# KiCad board panel.kicad_pcb (continued)
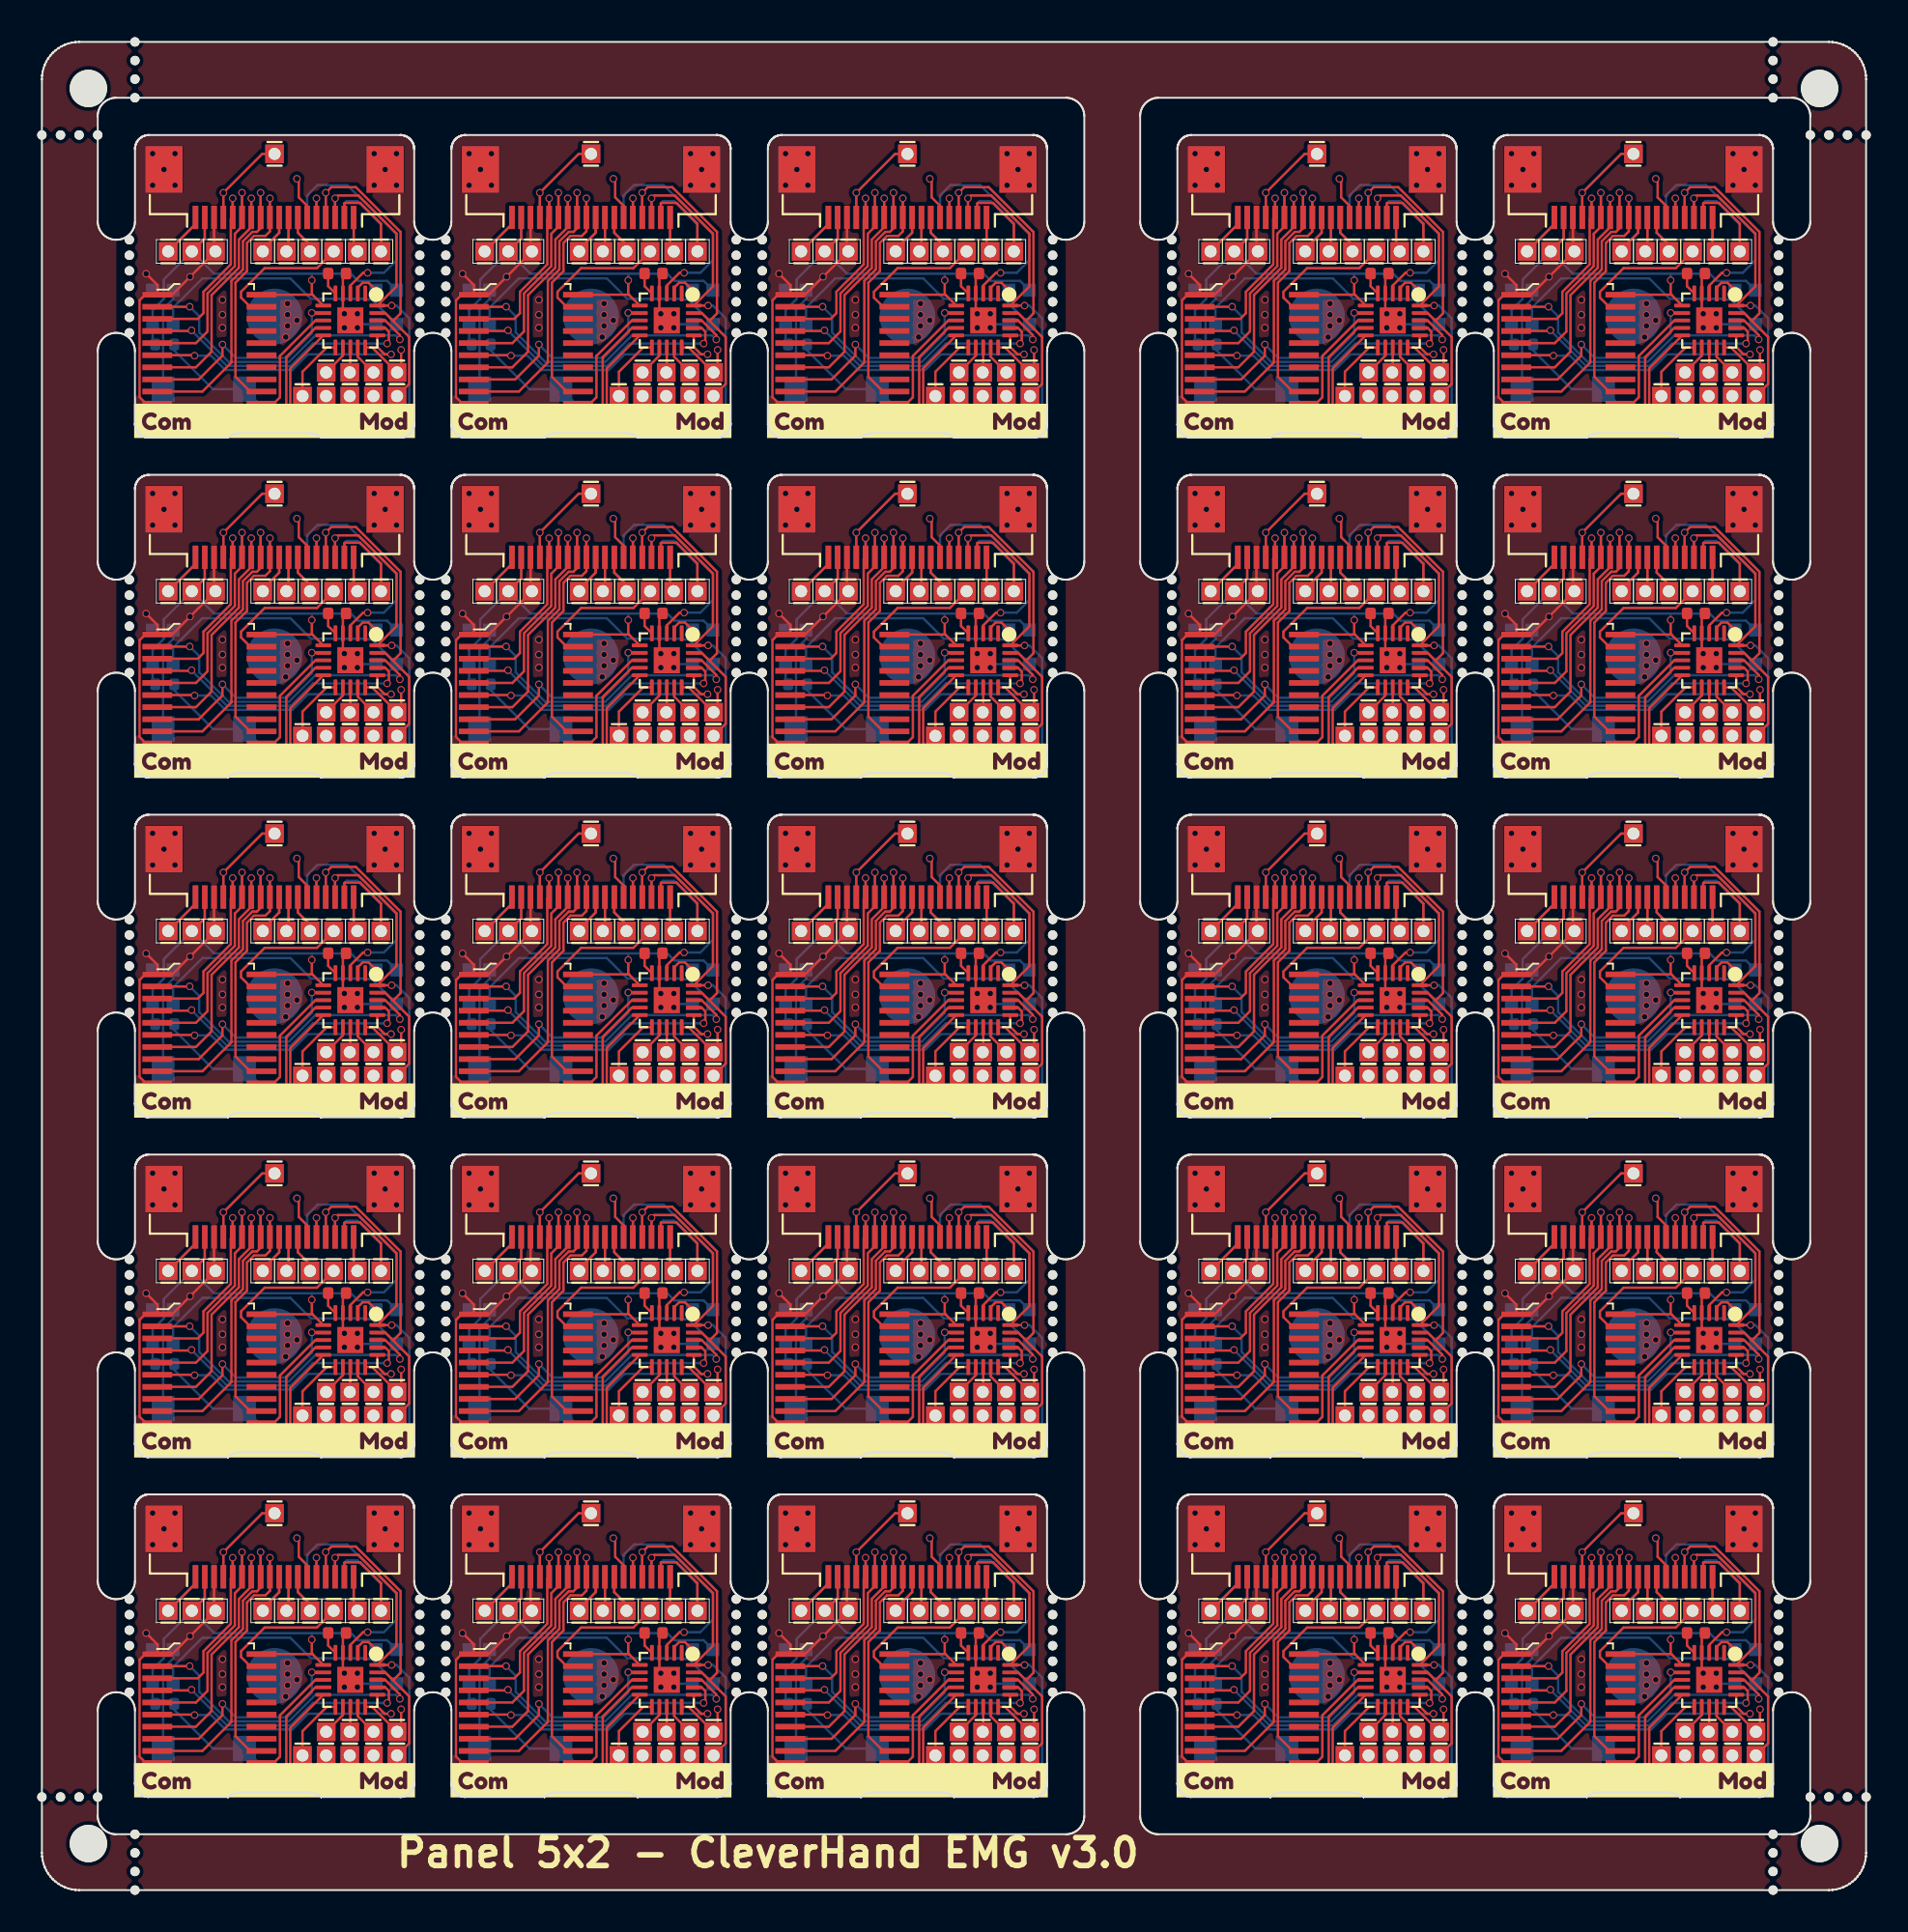
[diagram p0: board, top side]
## Placement (name value [footprint] x y rotation side) (continued)
REF**#17  -  [NPTH]  77.7 84.46 0 top
REF**#18  -  [NPTH#2]  2.5 2.5 0 top
REF**#19  -  [NPTH]  21.7 83.63 0 top
REF**#20  -  [NPTH]  4.7 11.46 0 top
REF**#21  -  [NPTH]  5 98.25 0 top
REF**#22  -  [NPTH]  93.3 47.96 0 top
REF**#23  -  [NPTH]  76.3 28.88 0 top
REF**#24  -  [NPTH]  21.7 67.88 0 top
REF**#25  -  [NPTH]  54.3 28.88 0 top
REF**#26  -  [NPTH]  21.7 33.04 0 top
REF**#27  -  [NPTH]  60.7 31.38 0 top
REF**#28  -  [NPTH]  76.3 68.71 0 top
REF**#29  -  [NPTH]  93 98.25 0 top
REF**#30  -  [NPTH]  54.3 47.96 0 top
REF**#31  -  [NPTH]  20.3 13.96 0 top
REF**#32  -  [NPTH]  21.7 32.21 0 top
REF**#33  -  [NPTH]  60.7 14.79 0 top
REF**#34  -  [NPTH]  4.7 68.71 0 top
REF**#35  -  [NPTH]  20.3 86.96 0 top
REF**#36  -  [NPTH]  77.7 66.21 0 top
REF**#37  -  [NPTH]  93 97.25 0 top
REF**#38  -  [NPTH]  37.3 30.54 0 top
REF**#39  -  [NPTH]  76.3 69.54 0 top
REF**#40  -  [NPTH]  38.7 70.38 0 top
REF**#41  -  [NPTH]  37.3 12.29 0 top
REF**#42  -  [NPTH]  37.3 88.63 0 top
REF**#43  -  [NPTH]  60.7 33.88 0 top
REF**#44  -  [NPTH]  77.7 70.38 0 top
REF**#45  -  [NPTH]  98 5 0 top
REF**#46  -  [NPTH]  54.3 33.88 0 top
REF**#47  -  [NPTH]  97 5 0 top
REF**#48  -  [NPTH]  21.7 86.13 0 top
REF**#49  -  [NPTH]  60.7 47.96 0 top
REF**#50  -  [NPTH]  77.7 47.13 0 top
REF**#51  -  [NPTH]  38.7 51.29 0 top
REF**#52  -  [NPTH]  21.7 48.79 0 top
REF**#53  -  [NPTH]  93.3 52.13 0 top
REF**#54  -  [NPTH]  37.3 86.13 0 top
REF**#55  -  [NPTH]  93.3 68.71 0 top
REF**#56  -  [NPTH]  37.3 33.88 0 top
REF**#57  -  [NPTH]  4.7 13.13 0 top
REF**#58  -  [NPTH]  37.3 83.63 0 top
REF**#59  -  [NPTH]  54.3 12.29 0 top
REF**#60  -  [NPTH]  1 94.25 0 top
REF**#61  -  [NPTH]  93.3 14.79 0 top
REF**#62  -  [NPTH]  37.3 13.96 0 top
REF**#63  -  [NPTH]  60.7 13.13 0 top
REF**#64  -  [NPTH]  38.7 33.88 0 top
REF**#65  -  [NPTH]  20.3 66.21 0 top
REF**#66  -  [NPTH]  4.7 86.96 0 top
REF**#67  -  [NPTH]  4.7 69.54 0 top
REF**#68  -  [NPTH]  77.7 88.63 0 top
REF**#69  -  [NPTH]  21.7 13.13 0 top
REF**#70  -  [NPTH]  76.3 48.79 0 top
REF**#71  -  [NPTH]  76.3 50.46 0 top
REF**#72  -  [NPTH]  93.3 85.29 0 top
REF**#73  -  [NPTH]  5 1 0 top
REF**#74  -  [NPTH]  60.7 12.29 0 top
REF**#75  -  [NPTH]  20.3 10.63 0 top
REF**#76  -  [NPTH]  93.3 83.63 0 top
REF**#77  -  [NPTH]  4.7 86.13 0 top
REF**#78  -  [NPTH]  20.3 85.29 0 top
REF**#79  -  [NPTH]  37.3 28.88 0 top
REF**#80  -  [NPTH]  76.3 52.13 0 top
REF**#81  -  [NPTH]  54.3 88.63 0 top
REF**#82  -  [NPTH]  37.3 65.38 0 top
REF**#83  -  [NPTH]  4.7 67.04 0 top
REF**#84  -  [NPTH]  77.7 10.63 0 top
REF**#85  -  [NPTH]  76.3 67.88 0 top
REF**#86  -  [NPTH]  60.7 50.46 0 top
REF**#87  -  [NPTH]  37.3 85.29 0 top
REF**#88  -  [NPTH]  37.3 29.71 0 top
REF**#89  -  [NPTH]  60.7 87.79 0 top
REF**#90  -  [NPTH]  21.7 28.88 0 top
REF**#91  -  [NPTH]  20.3 33.88 0 top
REF**#92  -  [NPTH]  60.7 11.46 0 top
REF**#93  -  [NPTH]  38.7 85.29 0 top
REF**#94  -  [NPTH]  93.3 86.96 0 top
REF**#95  -  [NPTH]  38.7 84.46 0 top
REF**#96  -  [NPTH]  93.3 88.63 0 top
REF**#97  -  [NPTH#2]  2.5 96.75 0 top
REF**#98  -  [NPTH]  76.3 86.96 0 top
REF**#99  -  [NPTH]  54.3 85.29 0 top
REF**#100  -  [NPTH]  93 99.25 0 top
REF**#101  -  [NPTH]  21.7 84.46 0 top
REF**#102  -  [NPTH]  38.7 87.79 0 top
REF**#103  -  [NPTH]  37.3 51.29 0 top
REF**#104  -  [NPTH]  54.3 87.79 0 top
REF**#105  -  [NPTH]  4.7 65.38 0 top
REF**#106  -  [NPTH]  20.3 67.04 0 top
REF**#107  -  [NPTH]  38.7 33.04 0 top
REF**#108  -  [NPTH]  60.7 48.79 0 top
REF**#109  -  [NPTH]  38.7 67.88 0 top
REF**#110  -  [NPTH]  21.7 31.38 0 top
REF**#111  -  [NPTH]  21.7 51.29 0 top
REF**#112  -  [NPTH]  37.3 33.04 0 top
REF**#113  -  [NPTH]  5 96.25 0 top
REF**#114  -  [NPTH]  20.3 48.79 0 top
REF**#115  -  [NPTH]  93.3 67.88 0 top
REF**#116  -  [NPTH]  77.7 13.13 0 top
REF**#117  -  [NPTH]  4.7 67.88 0 top
REF**#118  -  [NPTH]  93.3 12.29 0 top
REF**#119  -  [NPTH]  76.3 32.21 0 top
REF**#120  -  [NPTH]  20.3 50.46 0 top
REF**#121  -  [NPTH]  54.3 47.13 0 top
REF**#122  -  [NPTH]  1 5 0 top
REF**#123  -  [NPTH]  2 94.25 0 top
REF**#124  -  [NPTH]  37.3 49.63 0 top
REF**#125  -  [NPTH]  37.3 31.38 0 top
REF**#126  -  [NPTH]  37.3 70.38 0 top
REF**#127  -  [NPTH]  20.3 14.79 0 top
REF**#128  -  [NPTH]  20.3 11.46 0 top
REF**#129  -  [NPTH]  38.7 28.88 0 top
REF**#130  -  [NPTH]  93.3 47.13 0 top
REF**#131  -  [NPTH]  37.3 84.46 0 top
REF**#132  -  [NPTH#2]  95.5 96.75 0 top
REF**#133  -  [NPTH]  0 5 0 top
REF**#134  -  [NPTH]  21.7 50.46 0 top
REF**#135  -  [NPTH]  93.3 66.21 0 top
REF**#136  -  [NPTH]  60.7 84.46 0 top
REF**#137  -  [NPTH]  37.3 67.04 0 top
REF**#138  -  [NPTH]  21.7 12.29 0 top
REF**#139  -  [NPTH]  77.7 85.29 0 top
REF**#140  -  [NPTH]  93.3 51.29 0 top
REF**#141  -  [NPTH]  21.7 47.13 0 top
REF**#142  -  [NPTH]  4.7 29.71 0 top
REF**#143  -  [NPTH]  21.7 66.21 0 top
REF**#144  -  [NPTH]  38.7 10.63 0 top
REF**#145  -  [NPTH]  5 3 0 top
REF**#146  -  [NPTH]  76.3 14.79 0 top
REF**#147  -  [NPTH]  77.7 52.13 0 top
REF**#148  -  [NPTH]  77.7 68.71 0 top
REF**#149  -  [NPTH]  38.7 47.13 0 top
REF**#150  -  [NPTH]  76.3 83.63 0 top
REF**#151  -  [NPTH]  5 97.25 0 top
REF**#152  -  [NPTH]  4.7 47.96 0 top
REF**#153  -  [NPTH]  20.3 31.38 0 top
REF**#154  -  [NPTH]  76.3 11.46 0 top
REF**#155  -  [NPTH]  38.7 13.13 0 top
REF**#156  -  [NPTH]  3 5 0 top
REF**#157  -  [NPTH]  21.7 33.88 0 top
REF**#158  -  [NPTH]  20.3 69.54 0 top
REF**#159  -  [NPTH]  76.3 13.13 0 top
REF**#160  -  [NPTH]  38.7 32.21 0 top
REF**#161  -  [NPTH]  98 94.25 0 top
REF**#162  -  [NPTH]  76.3 67.04 0 top
REF**#163  -  [NPTH]  60.7 70.38 0 top
REF**#164  -  [NPTH]  93.3 28.88 0 top
REF**#165  -  [NPTH]  76.3 86.13 0 top
REF**#166  -  [NPTH]  96 5 0 top
REF**#167  -  [NPTH]  76.3 12.29 0 top
REF**#168  -  [NPTH]  60.7 47.13 0 top
REF**#169  -  [NPTH]  76.3 66.21 0 top
REF**#170  -  [NPTH]  77.7 12.29 0 top
REF**#171  -  [NPTH]  77.7 67.88 0 top
REF**#172  -  [NPTH]  77.7 50.46 0 top
REF**#173  -  [NPTH]  20.3 33.04 0 top
REF**#174  -  [NPTH]  77.7 13.96 0 top
REF**#175  -  [NPTH]  38.7 50.46 0 top
REF**#176  -  [NPTH]  37.3 13.13 0 top
REF**#177  -  [NPTH]  54.3 50.46 0 top
REF**#178  -  [NPTH]  38.7 66.21 0 top
REF**#179  -  [NPTH]  77.7 30.54 0 top
REF**#180  -  [NPTH]  77.7 31.38 0 top
REF**#181  -  [NPTH]  4.7 83.63 0 top
REF**#182  -  [NPTH]  21.7 86.96 0 top
REF**#183  -  [NPTH]  60.7 68.71 0 top
REF**#184  -  [NPTH]  5 99.25 0 top
REF**#185  -  [NPTH]  76.3 33.04 0 top
REF**#186  -  [NPTH]  38.7 83.63 0 top
REF**#187  -  [NPTH]  93.3 65.38 0 top
REF**#188  -  [NPTH]  20.3 47.96 0 top
REF**#189  -  [NPTH]  4.7 52.13 0 top
REF**#190  -  [NPTH]  93.3 70.38 0 top
REF**#191  -  [NPTH]  38.7 29.71 0 top
REF**#192  -  [NPTH]  93 0 0 top
REF**#193  -  [NPTH]  54.3 11.46 0 top
REF**#194  -  [NPTH]  38.7 14.79 0 top
REF**#195  -  [NPTH]  60.7 49.63 0 top
REF**#196  -  [NPTH]  0 94.25 0 top
REF**#197  -  [NPTH]  76.3 13.96 0 top
REF**#198  -  [NPTH]  3 94.25 0 top
REF**#199  -  [NPTH]  77.7 67.04 0 top
REF**#200  -  [NPTH]  77.7 86.96 0 top
REF**#201  -  [NPTH]  93.3 13.13 0 top
REF**#202  -  [NPTH]  76.3 10.63 0 top
REF**#203  -  [NPTH]  37.3 48.79 0 top
REF**#204  -  [NPTH]  93.3 29.71 0 top
REF**#205  -  [NPTH]  93.3 69.54 0 top
REF**#206  -  [NPTH]  54.3 49.63 0 top
REF**#207  -  [NPTH]  93.3 30.54 0 top
REF**#208  -  [NPTH]  38.7 47.96 0 top
REF**#209  -  [NPTH]  54.3 15.63 0 top
REF**#210  -  [NPTH]  4.7 88.63 0 top
REF**#211  -  [NPTH]  77.7 83.63 0 top
REF**#212  -  [NPTH]  20.3 30.54 0 top
REF**#213  -  [NPTH]  20.3 68.71 0 top
REF**#214  -  [NPTH]  38.7 86.96 0 top
REF**#215  -  [NPTH#2]  95.5 2.5 0 top
REF**#216  -  [NPTH]  21.7 68.71 0 top
REF**#217  -  [NPTH]  37.3 11.46 0 top
REF**#218  -  [NPTH]  54.3 86.13 0 top
REF**#219  -  [NPTH]  76.3 31.38 0 top
REF**#220  -  [NPTH]  21.7 30.54 0 top
REF**#221  -  [NPTH]  38.7 13.96 0 top
REF**#222  -  [NPTH]  60.7 29.71 0 top
REF**#223  -  [NPTH]  60.7 86.96 0 top
REF**#224  -  [NPTH]  54.3 10.63 0 top
REF**#225  -  [NPTH]  4.7 32.21 0 top
REF**#226  -  [NPTH]  77.7 51.29 0 top
REF**#227  -  [NPTH]  77.7 65.38 0 top
REF**#228  -  [NPTH]  76.3 85.29 0 top
REF**#229  -  [NPTH]  4.7 14.79 0 top
REF**#230  -  [NPTH]  54.3 67.04 0 top
REF**#231  -  [NPTH]  60.7 85.29 0 top
REF**#232  -  [NPTH]  38.7 86.13 0 top
REF**#233  -  [NPTH]  93.3 32.21 0 top
REF**#234  -  [NPTH]  4.7 70.38 0 top
REF**#235  -  [NPTH]  38.7 49.63 0 top
REF**#236  -  [NPTH]  20.3 88.63 0 top
REF**#237  -  [NPTH]  4.7 28.88 0 top
REF**#238  -  [NPTH]  60.7 10.63 0 top
REF**#239  -  [NPTH]  97 94.25 0 top
REF**#240  -  [NPTH]  93.3 87.79 0 top
REF**#241  -  [NPTH]  4.7 84.46 0 top
REF**#242  -  [NPTH]  93.3 13.96 0 top
REF**#243  -  [NPTH]  54.3 70.38 0 top
REF**#244  -  [NPTH]  54.3 86.96 0 top
REF**#245  -  [NPTH]  93.3 31.38 0 top
REF**#246  -  [NPTH]  54.3 14.79 0 top
REF**#247  -  [NPTH]  21.7 67.04 0 top
REF**#248  -  [NPTH]  21.7 14.79 0 top
REF**#249  -  [NPTH]  60.7 15.63 0 top
REF**#250  -  [NPTH]  4.7 85.29 0 top
REF**#251  -  [NPTH]  54.3 83.63 0 top
REF**#252  -  [NPTH]  37.3 15.63 0 top
REF**#253  -  [NPTH]  38.7 15.63 0 top
REF**#254  -  [NPTH]  21.7 15.63 0 top
REF**#255  -  [NPTH]  54.3 69.54 0 top
REF**#256  -  [NPTH]  37.3 68.71 0 top
REF**#257  -  [NPTH]  60.7 28.88 0 top
REF**#258  -  [NPTH]  21.7 47.96 0 top
REF**#259  -  [NPTH]  4.7 12.29 0 top
REF**#260  -  [NPTH]  54.3 48.79 0 top
REF**#261  -  [NPTH]  76.3 88.63 0 top
REF**#262  -  [NPTH]  54.3 84.46 0 top
REF**#263  -  [NPTH]  60.7 66.21 0 top
REF**#264  -  [NPTH]  93.3 10.63 0 top
REF**#265  -  [NPTH]  95 5 0 top
REF**#266  -  [NPTH]  77.7 15.63 0 top
REF**#267  -  [NPTH]  20.3 83.63 0 top
REF**#268  -  [NPTH]  21.7 29.71 0 top
REF**#269  -  [NPTH]  60.7 65.38 0 top
REF**#270  -  [NPTH]  60.7 13.96 0 top
REF**#271  -  [NPTH]  37.3 67.88 0 top
REF**#272  -  [NPTH]  60.7 33.04 0 top
REF**#273  -  [NPTH]  21.7 52.13 0 top
REF**#274  -  [NPTH]  5 2 0 top
REF**#275  -  [NPTH]  21.7 87.79 0 top
REF**#276  -  [NPTH]  54.3 31.38 0 top
REF**#277  -  [NPTH]  76.3 87.79 0 top
REF**#278  -  [NPTH]  60.7 86.13 0 top
REF**#279  -  [NPTH]  60.7 32.21 0 top
REF**#280  -  [NPTH]  93.3 84.46 0 top
REF**#281  -  [NPTH]  21.7 69.54 0 top
REF**#282  -  [NPTH]  77.7 69.54 0 top
REF**#283  -  [NPTH]  54.3 52.13 0 top
REF**#284  -  [NPTH]  20.3 65.38 0 top
REF**#285  -  [NPTH]  54.3 13.13 0 top
REF**#286  -  [NPTH]  76.3 29.71 0 top
REF**#287  -  [NPTH]  60.7 69.54 0 top
REF**#288  -  [NPTH]  93 1 0 top
REF**#289  -  [NPTH]  76.3 65.38 0 top
REF**#290  -  [NPTH]  93.3 48.79 0 top
REF**#291  -  [NPTH]  20.3 51.29 0 top
REF**#292  -  [NPTH]  77.7 32.21 0 top
REF**#293  -  [NPTH]  93.3 86.13 0 top
REF**#294  -  [NPTH]  37.3 47.96 0 top
REF**#295  -  [NPTH]  20.3 67.88 0 top
REF**#296  -  [NPTH]  20.3 87.79 0 top
REF**#297  -  [NPTH]  76.3 30.54 0 top
REF**#298  -  [NPTH]  20.3 15.63 0 top
REF**#299  -  [NPTH]  93 3 0 top
REF**#300  -  [NPTH]  38.7 69.54 0 top
REF**#301  -  [NPTH]  93.3 67.04 0 top
REF**#302  -  [NPTH]  37.3 86.96 0 top
REF**#303  -  [NPTH]  60.7 51.29 0 top
REF**#304  -  [NPTH]  21.7 88.63 0 top
REF**#305  -  [NPTH]  4.7 47.13 0 top
REF**#306  -  [NPTH]  76.3 49.63 0 top
REF**#307  -  [NPTH]  20.3 86.13 0 top
REF**#308  -  [NPTH]  54.3 29.71 0 top
REF**#309  -  [NPTH]  38.7 67.04 0 top
REF**#310  -  [NPTH]  77.7 33.88 0 top
REF**#311  -  [NPTH]  38.7 12.29 0 top
REF**#312  -  [NPTH]  37.3 66.21 0 top
REF**#313  -  [NPTH]  21.7 11.46 0 top
REF**#314  -  [NPTH]  96 94.25 0 top
REF**#315  -  [NPTH]  77.7 49.63 0 top
REF**#316  -  [NPTH]  54.3 33.04 0 top
REF**#317  -  [NPTH]  4.7 33.04 0 top
REF**#318  -  [NPTH]  54.3 32.21 0 top
REF**#319  -  [NPTH]  77.7 48.79 0 top
REF**#320  -  [NPTH]  93.3 33.88 0 top
REF**#321  -  [NPTH]  93 96.25 0 top
REF**#322  -  [NPTH]  54.3 68.71 0 top
REF**#323  -  [NPTH]  20.3 84.46 0 top
REF**#324  -  [NPTH]  38.7 11.46 0 top
REF**#325  -  [NPTH]  4.7 51.29 0 top
REF**#326  -  [NPTH]  76.3 47.13 0 top
REF**#327  -  [NPTH]  38.7 68.71 0 top
REF**#328  -  [NPTH]  54.3 67.88 0 top
REF**#329  -  [NPTH]  38.7 65.38 0 top
REF**#330  -  [NPTH]  60.7 52.13 0 top
REF**#331  -  [NPTH]  38.7 31.38 0 top
REF**#332  -  [NPTH]  77.7 33.04 0 top
REF**#333  -  [NPTH]  38.7 88.63 0 top
REF**#334  -  [NPTH]  60.7 83.63 0 top
REF**#335  -  [NPTH]  4.7 66.21 0 top
REF**#336  -  [NPTH]  54.3 65.38 0 top
REF**#337  -  [NPTH]  38.7 52.13 0 top
REF**#338  -  [NPTH]  4.7 48.79 0 top
REF**#339  -  [NPTH]  4.7 33.88 0 top
REF**#340  -  [NPTH]  38.7 30.54 0 top
REF**#341  -  [NPTH]  20.3 28.88 0 top
REF**#342  -  [NPTH]  20.3 13.13 0 top
REF**#343  -  [NPTH]  77.7 28.88 0 top
REF**#344  -  [NPTH]  4.7 13.96 0 top
REF**#345  -  [NPTH]  54.3 51.29 0 top
REF**#346  -  [NPTH]  76.3 47.96 0 top
REF**#347  -  [NPTH]  93.3 49.63 0 top
REF**#348  -  [NPTH]  21.7 70.38 0 top
REF**#349  -  [NPTH]  77.7 11.46 0 top
REF**#350  -  [NPTH]  37.3 32.21 0 top
REF**#351  -  [NPTH]  4.7 15.63 0 top
REF**#352  -  [NPTH]  77.7 29.71 0 top
REF**#353  -  [NPTH]  21.7 65.38 0 top
REF**#354  -  [NPTH]  77.7 86.13 0 top
REF**#355  -  [NPTH]  37.3 50.46 0 top
REF**#356  -  [NPTH]  4.7 31.38 0 top
REF**#357  -  [NPTH]  93.3 50.46 0 top
REF**#358  -  [NPTH]  93 2 0 top
REF**#359  -  [NPTH]  37.3 52.13 0 top
REF**#360  -  [NPTH]  54.3 13.96 0 top
REF**#361  -  [NPTH]  77.7 14.79 0 top
REF**#362  -  [NPTH]  60.7 67.04 0 top
REF**#363  -  [NPTH]  76.3 51.29 0 top
REF**#364  -  [NPTH]  4.7 87.79 0 top
REF**#365  -  [NPTH]  4.7 49.63 0 top
REF**#366  -  [NPTH]  77.7 87.79 0 top
REF**#367  -  [NPTH]  21.7 13.96 0 top
REF**#368  -  [NPTH]  20.3 49.63 0 top
REF**#369  -  [NPTH]  21.7 10.63 0 top
REF**#370  -  [NPTH]  38.7 48.79 0 top
REF**#371  -  [NPTH]  5 0 0 top
REF**#372  -  [NPTH]  37.3 87.79 0 top
REF**#373  -  [NPTH]  20.3 12.29 0 top
REF**#374  -  [NPTH]  95 94.25 0 top
REF**#375  -  [NPTH]  93.3 11.46 0 top
REF**#376  -  [NPTH]  76.3 33.88 0 top
REF**#377  -  [NPTH]  37.3 10.63 0 top
REF**#378  -  [NPTH]  20.3 70.38 0 top
REF**#379  -  [NPTH]  20.3 32.21 0 top
REF**#380  -  [NPTH]  37.3 47.13 0 top
REF**#381  -  [NPTH]  93.3 15.63 0 top
REF**#382  -  [NPTH]  2 5 0 top
REF**#383  -  [NPTH]  60.7 88.63 0 top
REF**#384  -  [NPTH]  93.3 33.04 0 top
REF**#385  -  [NPTH]  54.3 66.21 0 top
REF**#386  -  [NPTH]  77.7 47.96 0 top
SW1  NA  [SW-SMD_L3.9-W3.0-P4.45]  8.7 44.1 180 bottom
SW1#2  NA  [SW-SMD_L3.9-W3.0-P4.45]  81.7 7.6 180 bottom
SW1#3  NA  [SW-SMD_L3.9-W3.0-P4.45]  25.7 7.6 180 bottom
SW1#4  NA  [SW-SMD_L3.9-W3.0-P4.45]  42.7 80.6 180 bottom
SW1#5  NA  [SW-SMD_L3.9-W3.0-P4.45]  25.7 62.35 180 bottom
SW1#6  NA  [SW-SMD_L3.9-W3.0-P4.45]  8.7 62.35 180 bottom
SW1#7  NA  [SW-SMD_L3.9-W3.0-P4.45]  81.7 44.1 180 bottom
SW1#8  NA  [SW-SMD_L3.9-W3.0-P4.45]  8.7 7.6 180 bottom
SW1#9  NA  [SW-SMD_L3.9-W3.0-P4.45]  64.7 80.6 180 bottom
SW1#10  NA  [SW-SMD_L3.9-W3.0-P4.45]  64.7 62.35 180 bottom
SW1#11  NA  [SW-SMD_L3.9-W3.0-P4.45]  42.7 44.1 180 bottom
SW1#12  NA  [SW-SMD_L3.9-W3.0-P4.45]  8.7 80.6 180 bottom
SW1#13  NA  [SW-SMD_L3.9-W3.0-P4.45]  64.7 25.85 180 bottom
SW1#14  NA  [SW-SMD_L3.9-W3.0-P4.45]  64.7 44.1 180 bottom
SW1#15  NA  [SW-SMD_L3.9-W3.0-P4.45]  25.7 80.6 180 bottom
SW1#16  NA  [SW-SMD_L3.9-W3.0-P4.45]  64.7 7.6 180 bottom
SW1#17  NA  [SW-SMD_L3.9-W3.0-P4.45]  81.7 25.85 180 bottom
SW1#18  NA  [SW-SMD_L3.9-W3.0-P4.45]  81.7 62.35 180 bottom
SW1#19  NA  [SW-SMD_L3.9-W3.0-P4.45]  25.7 25.85 180 bottom
SW1#20  NA  [SW-SMD_L3.9-W3.0-P4.45]  25.7 44.1 180 bottom
SW1#21  NA  [SW-SMD_L3.9-W3.0-P4.45]  81.7 80.6 180 bottom
SW1#22  NA  [SW-SMD_L3.9-W3.0-P4.45]  42.7 7.6 180 bottom
SW1#23  NA  [SW-SMD_L3.9-W3.0-P4.45]  42.7 25.85 180 bottom
SW1#24  NA  [SW-SMD_L3.9-W3.0-P4.45]  42.7 62.35 180 bottom
SW1#25  NA  [SW-SMD_L3.9-W3.0-P4.45]  8.7 25.85 180 bottom
U1  HC32L110C6UA  [QFN-20-1EP_3x3mm_P0.4mm_EP1.4x1.4mm]  89.57 29.54 270 top
U1#2  HC32L110C6UA  [QFN-20-1EP_3x3mm_P0.4mm_EP1.4x1.4mm]  33.57 66.04 270 top
U1#3  HC32L110C6UA  [QFN-20-1EP_3x3mm_P0.4mm_EP1.4x1.4mm]  89.57 84.29 270 top
U1#4  HC32L110C6UA  [QFN-20-1EP_3x3mm_P0.4mm_EP1.4x1.4mm]  50.57 29.54 270 top
U1#5  HC32L110C6UA  [QFN-20-1EP_3x3mm_P0.4mm_EP1.4x1.4mm]  16.57 29.54 270 top
U1#6  HC32L110C6UA  [QFN-20-1EP_3x3mm_P0.4mm_EP1.4x1.4mm]  72.57 47.79 270 top
U1#7  HC32L110C6UA  [QFN-20-1EP_3x3mm_P0.4mm_EP1.4x1.4mm]  33.57 47.79 270 top
U1#8  HC32L110C6UA  [QFN-20-1EP_3x3mm_P0.4mm_EP1.4x1.4mm]  16.57 11.29 270 top
U1#9  HC32L110C6UA  [QFN-20-1EP_3x3mm_P0.4mm_EP1.4x1.4mm]  50.57 66.04 270 top
U1#10  HC32L110C6UA  [QFN-20-1EP_3x3mm_P0.4mm_EP1.4x1.4mm]  33.57 11.29 270 top
U1#11  HC32L110C6UA  [QFN-20-1EP_3x3mm_P0.4mm_EP1.4x1.4mm]  16.57 84.29 270 top
U1#12  HC32L110C6UA  [QFN-20-1EP_3x3mm_P0.4mm_EP1.4x1.4mm]  33.57 84.29 270 top
U1#13  HC32L110C6UA  [QFN-20-1EP_3x3mm_P0.4mm_EP1.4x1.4mm]  16.57 47.79 270 top
U1#14  HC32L110C6UA  [QFN-20-1EP_3x3mm_P0.4mm_EP1.4x1.4mm]  89.57 66.04 270 top
U1#15  HC32L110C6UA  [QFN-20-1EP_3x3mm_P0.4mm_EP1.4x1.4mm]  72.57 66.04 270 top
U1#16  HC32L110C6UA  [QFN-20-1EP_3x3mm_P0.4mm_EP1.4x1.4mm]  72.57 11.29 270 top
U1#17  HC32L110C6UA  [QFN-20-1EP_3x3mm_P0.4mm_EP1.4x1.4mm]  33.57 29.54 270 top
U1#18  HC32L110C6UA  [QFN-20-1EP_3x3mm_P0.4mm_EP1.4x1.4mm]  16.57 66.04 270 top
U1#19  HC32L110C6UA  [QFN-20-1EP_3x3mm_P0.4mm_EP1.4x1.4mm]  89.57 47.79 270 top
U1#20  HC32L110C6UA  [QFN-20-1EP_3x3mm_P0.4mm_EP1.4x1.4mm]  89.57 11.29 270 top
U1#21  HC32L110C6UA  [QFN-20-1EP_3x3mm_P0.4mm_EP1.4x1.4mm]  72.57 29.54 270 top
U1#22  HC32L110C6UA  [QFN-20-1EP_3x3mm_P0.4mm_EP1.4x1.4mm]  50.57 11.29 270 top
U1#23  HC32L110C6UA  [QFN-20-1EP_3x3mm_P0.4mm_EP1.4x1.4mm]  50.57 84.29 270 top
U1#24  HC32L110C6UA  [QFN-20-1EP_3x3mm_P0.4mm_EP1.4x1.4mm]  72.57 84.29 270 top
U1#25  HC32L110C6UA  [QFN-20-1EP_3x3mm_P0.4mm_EP1.4x1.4mm]  50.57 47.79 270 top
U2  74HC688  [TSSOP-20_W4.4mm]  9 28 270 top
U2#2  74HC688  [TSSOP-20_W4.4mm]  82 28 270 top
U2#3  74HC688  [TSSOP-20_W4.4mm]  65 46.25 270 top
U2#4  74HC688  [TSSOP-20_W4.4mm]  26 9.75 270 top
U2#5  74HC688  [TSSOP-20_W4.4mm]  9 64.5 270 top
U2#6  74HC688  [TSSOP-20_W4.4mm]  26 28 270 top
U2#7  74HC688  [TSSOP-20_W4.4mm]  43 28 270 top
U2#8  74HC688  [TSSOP-20_W4.4mm]  26 82.75 270 top
U2#9  74HC688  [TSSOP-20_W4.4mm]  82 64.5 270 top
U2#10  74HC688  [TSSOP-20_W4.4mm]  43 9.75 270 top
U2#11  74HC688  [TSSOP-20_W4.4mm]  65 82.75 270 top
U2#12  74HC688  [TSSOP-20_W4.4mm]  82 82.75 270 top
U2#13  74HC688  [TSSOP-20_W4.4mm]  65 9.75 270 top
U2#14  74HC688  [TSSOP-20_W4.4mm]  43 82.75 270 top
U2#15  74HC688  [TSSOP-20_W4.4mm]  82 9.75 270 top
U2#16  74HC688  [TSSOP-20_W4.4mm]  9 9.75 270 top
U2#17  74HC688  [TSSOP-20_W4.4mm]  9 82.75 270 top
U2#18  74HC688  [TSSOP-20_W4.4mm]  26 64.5 270 top
U2#19  74HC688  [TSSOP-20_W4.4mm]  82 46.25 270 top
U2#20  74HC688  [TSSOP-20_W4.4mm]  26 46.25 270 top
U2#21  74HC688  [TSSOP-20_W4.4mm]  9 46.25 270 top
U2#22  74HC688  [TSSOP-20_W4.4mm]  43 46.25 270 top
U2#23  74HC688  [TSSOP-20_W4.4mm]  43 64.5 270 top
U2#24  74HC688  [TSSOP-20_W4.4mm]  65 28 270 top
U2#25  74HC688  [TSSOP-20_W4.4mm]  65 64.5 270 top

## Library data of the parts
C1 C1#2-C1#25 = -: Description: Unpolarized capacitor; LCSC: C23733
J1 J1#2-J1#25 J2 J2#2-J2#25 J3 J3#2-J3#25 J5 J5#2-J5#25 J6 J6#2-J6#25 J7 J7#2-J7#25 J8 J8#2-J8#25 J9 J9#2-J9#25 J11 J11#2-J11#25 J12 J12#2-J12#25 J13 J13#2-J13#25 J14 J14#2-J14#25 J15 J15#2-J15#25 J16 J16#2-J16#25 J17 J17#2-J17#25 J18 J18#2-J18#25 J19 J19#2-J19#25 J20 J20#2-J20#25 J21 J21#2-J21#25 = -: Description: Generic connector, single row, 01x01, script generated
J4 J4#2-J4#25 J10 J10#2-J10#25 = -: Field4: IN; LCSC: C2856802
R1 R1#2-R1#25 = -: Description: Resistor; LCSC: C25744
SW1 SW1#2-SW1#25 = -: LCSC: C720477
U1 U1#2-U1#25 = -: LCSC: C493490
U2 U2#2-U2#25 = -: Description: 8-bit magnitude comparator; LCSC: C132045; Field5: REF**

## Footprints (pads in the part's own frame, mm; a bottom-side part is the same pattern mirrored in y, then rotated)
C_0402_1005Metric
  rrect 0.56x0.62 smd: 1(-0.48,0) 2(0.48,0)
insert_1.2mm
  round 3 smd: 1(0,0)
NPTH
  round 0.5 hole 0.5 unplated: (0,0)
NPTH#2
  round 2 hole 2 unplated: (0,0)
PinHeader_1x01_P1.27mm_Vertical
  rect 1x1 hole 0.65: 1(0,0)
QFN-20-1EP_3x3mm_P0.4mm_EP1.4x1.4mm
  rrect 0.5x0.5 smd: (-0.35,0.35) (-0.35,-0.35) (0.35,0.35) (0.35,-0.35)
  rrect 0.85x0.2 smd: 1(-1.45,0.8) 2(-1.45,0.4) 3(-1.45,0) 4(-1.45,-0.4) 5(-1.45,-0.8) 11(1.45,-0.8) 12(1.45,-0.4) 13(1.45,0) 14(1.45,0.4) 15(1.45,0.8)
  rrect 0.2x0.85 smd: 6(-0.8,-1.45) 7(-0.4,-1.45) 8(0,-1.45) 9(0.4,-1.45) 10(0.8,-1.45) 16(0.8,1.45) 17(0.4,1.45) 18(0,1.45) 19(-0.4,1.45) 20(-0.8,1.45)
  rect 1.4x1.4 smd: 21(0,0)
R_0402_1005Metric
  rrect 0.54x0.64 smd: 1(-0.51,0) 2(0.51,0)
SW-SMD_L3.9-W3.0-P4.45
  rect 1.23x1.36 smd: 1(-2.185,0) 2(2.185,0)
TSSOP-20_W4.4mm
  rect 0.3x1.6 smd: 1(-2.925,-2.8) 2(-2.275,-2.8) 3(-1.625,-2.8) 4(-0.975,-2.8) 5(-0.325,-2.8) 6(0.325,-2.8) 7(0.975,-2.8) 8(1.625,-2.8) 9(2.275,-2.8) 10(2.925,-2.8) 11(2.925,2.8) 12(2.275,2.8) 13(1.625,2.8) 14(0.975,2.8) 15(0.325,2.8) 16(-0.325,2.8) 17(-0.975,2.8) 18(-1.625,2.8) 19(-2.275,2.8) 20(-2.925,2.8)
WS2812-2020
  rect 0.7x0.7 smd: 1(0.915,-0.55) 2(0.915,0.55) 3(-0.915,0.55) 4(-0.915,-0.55)
XUNPU_FPC_05F_18P_H20
  rect 0.3x1.25 smd: 1(-4.25,0.175) 2(-3.75,0.175) 3(-3.25,0.175) 4(-2.75,0.175) 5(-2.25,0.175) 6(-1.75,0.175) 7(-1.25,0.175) 8(-0.75,0.175) 9(-0.25,0.175) 10(0.25,0.175) 11(0.75,0.175) 12(1.25,0.175) 13(1.75,0.175) 14(2.25,0.175) 15(2.75,0.175) 16(3.25,0.175) 17(3.75,0.175) 18(4.25,0.175)
  rect 2x2.5 smd: 19(-5.94,-2.4) 20(5.94,-2.4)

## Nets
Board_0-+3.3V: J1#13.1 J4#8.2 J10#24.17 LED1#19.4 LED2#24.4 R1#20.1 U1#11.6 U2#17.20
Board_0-/addr_bus_0: J4#8.5 J10#24.14 U2#17.3
Board_0-/addr_bus_1: J4#8.6 J10#24.13 U2#17.5
Board_0-/addr_bus_2: J4#8.7 J10#24.12 U2#17.7
Board_0-/addr_bus_3: J4#8.8 J10#24.11 U2#17.9
Board_0-/addr_bus_4: J4#8.9 J10#24.10 U2#17.12
Board_0-/addr_bus_5: U2#17.14
Board_0-/addr_bus_6: U2#17.16
Board_0-/addr_bus_7: U2#17.18
Board_0-/addr_mod_0: U1#11.18 U2#17.2
Board_0-/addr_mod_1: U1#11.17 U2#17.4
Board_0-/addr_mod_2: U1#11.16 U2#17.6
Board_0-/addr_mod_3: U1#11.7 U2#17.8
Board_0-/addr_mod_4: U1#11.8 U2#17.11
Board_0-/addr_mod_5: U2#17.13
Board_0-/addr_mod_6: U2#17.15
Board_0-/addr_mod_7: U2#17.17
Board_0-/AIN0: J18#8.1 U1#11.11
Board_0-/AUX1: J4#8.1 J10#24.18 J19.1
Board_0-/AUX2: J4#8.17 J10#24.2 J20#14.1
Board_0-/AUX3: J3#8.1 J4#8.4 J10#24.15
Board_0-/CSB: J8#18.1 U2#17.19
Board_0-/extRef: J4#8.18 J9#19.1 J10#24.1
Board_0-/GPIO: J21.1 R1#20.2 SW1#12.1 U1#11.10
Board_0-/i2C_SCL: J4#8.16 J10#24.3 J16#12.1 U1#11.20
Board_0-/I2C_SDA: J4#8.15 J10#24.4 J17#15.1 U1#11.19
Board_0-/IO1_in: J4#8.13 U1#11.3
Board_0-/IO1_out: J10#24.6 J11#8.1 U1#11.15
Board_0-/IO2: J4#8.14 J10#24.5
Board_0-/LED_IN: LED1#19.3 U1#11.2
Board_0-/LED_OUT: LED2#24.1
Board_0-/MISO: J4#8.10 J5#24.1 J10#24.9
Board_0-/MOSI: J4#8.11 J6#21.1 J10#24.8
Board_0-/MOSI_ARM: J13#23.1 U1#11.13
Board_0-/SCLK: J4#8.12 J7#3.1 J10#24.7
Board_0-/SCLK_ARM: J14#19.1 U1#11.12
Board_0-/SPICS_ARM: J15#20.1 U1#11.9
Board_0-/SWDIO/MISO_ARM: J12#3.1 U1#11.14
Board_0-/Vcap: C1#15.2 U1#11.5
Board_0-GND: C1#15.1 I1#7.1 J2#23.1 J4#8.3 J4#8.19 J4#8.20 J10#24.16 J10#24.19 J10#24.20 LED1#19.2 LED2#24.2 SW1#12.2 U1#11.4 U1#11.21 U2#17.1 U2#17.10
Board_0-Net-(LED1-DO): LED1#19.1 LED2#24.3
Board_0-unconnected-(U1-P00-Pad1): U1#11.1
Board_1-+3.3V: J1#14.1 J4#11.2 J10#2.17 LED1#10.4 LED2#11.4 R1#3.1 U1#12.6 U2#8.20
Board_1-/addr_bus_0: J4#11.5 J10#2.14 U2#8.3
Board_1-/addr_bus_1: J4#11.6 J10#2.13 U2#8.5
Board_1-/addr_bus_2: J4#11.7 J10#2.12 U2#8.7
Board_1-/addr_bus_3: J4#11.8 J10#2.11 U2#8.9
Board_1-/addr_bus_4: J4#11.9 J10#2.10 U2#8.12
Board_1-/addr_bus_5: U2#8.14
Board_1-/addr_bus_6: U2#8.16
Board_1-/addr_bus_7: U2#8.18
Board_1-/addr_mod_0: U1#12.18 U2#8.2
Board_1-/addr_mod_1: U1#12.17 U2#8.4
Board_1-/addr_mod_2: U1#12.16 U2#8.6
Board_1-/addr_mod_3: U1#12.7 U2#8.8
Board_1-/addr_mod_4: U1#12.8 U2#8.11
Board_1-/addr_mod_5: U2#8.13
Board_1-/addr_mod_6: U2#8.15
Board_1-/addr_mod_7: U2#8.17
Board_1-/AIN0: J18#15.1 U1#12.11
Board_1-/AUX1: J4#11.1 J10#2.18 J19#3.1
Board_1-/AUX2: J4#11.17 J10#2.2 J20#21.1
Board_1-/AUX3: J3#5.1 J4#11.4 J10#2.15
Board_1-/CSB: J8#22.1 U2#8.19
Board_1-/extRef: J4#11.18 J9#16.1 J10#2.1
Board_1-/GPIO: J21#19.1 R1#3.2 SW1#15.1 U1#12.10
Board_1-/i2C_SCL: J4#11.16 J10#2.3 J16#7.1 U1#12.20
Board_1-/I2C_SDA: J4#11.15 J10#2.4 J17#13.1 U1#12.19
Board_1-/IO1_in: J4#11.13 U1#12.3
Board_1-/IO1_out: J10#2.6 J11#16.1 U1#12.15
Board_1-/IO2: J4#11.14 J10#2.5
Board_1-/LED_IN: LED1#10.3 U1#12.2
Board_1-/LED_OUT: LED2#11.1
Board_1-/MISO: J4#11.10 J5#4.1 J10#2.9
Board_1-/MOSI: J4#11.11 J6#23.1 J10#2.8
Board_1-/MOSI_ARM: J13#22.1 U1#12.13
Board_1-/SCLK: J4#11.12 J7#12.1 J10#2.7
Board_1-/SCLK_ARM: J14#25.1 U1#12.12
Board_1-/SPICS_ARM: J15#19.1 U1#12.9
Board_1-/SWDIO/MISO_ARM: J12#21.1 U1#12.14
Board_1-/Vcap: C1#14.2 U1#12.5
Board_1-GND: C1#14.1 I1#19.1 J2#13.1 J4#11.3 J4#11.19 J4#11.20 J10#2.16 J10#2.19 J10#2.20 LED1#10.2 LED2#11.2 SW1#15.2 U1#12.4 U1#12.21 U2#8.1 U2#8.10
Board_1-Net-(LED1-DO): LED1#10.1 LED2#11.3
Board_1-unconnected-(U1-P00-Pad1): U1#12.1
Board_2-+3.3V: J1#23.1 J4#23.2 J10#11.17 LED1#2.4 LED2#19.4 R1#8.1 U1#23.6 U2#14.20